# KiCad board hw-openmower-universal.kicad_pcb (continued)
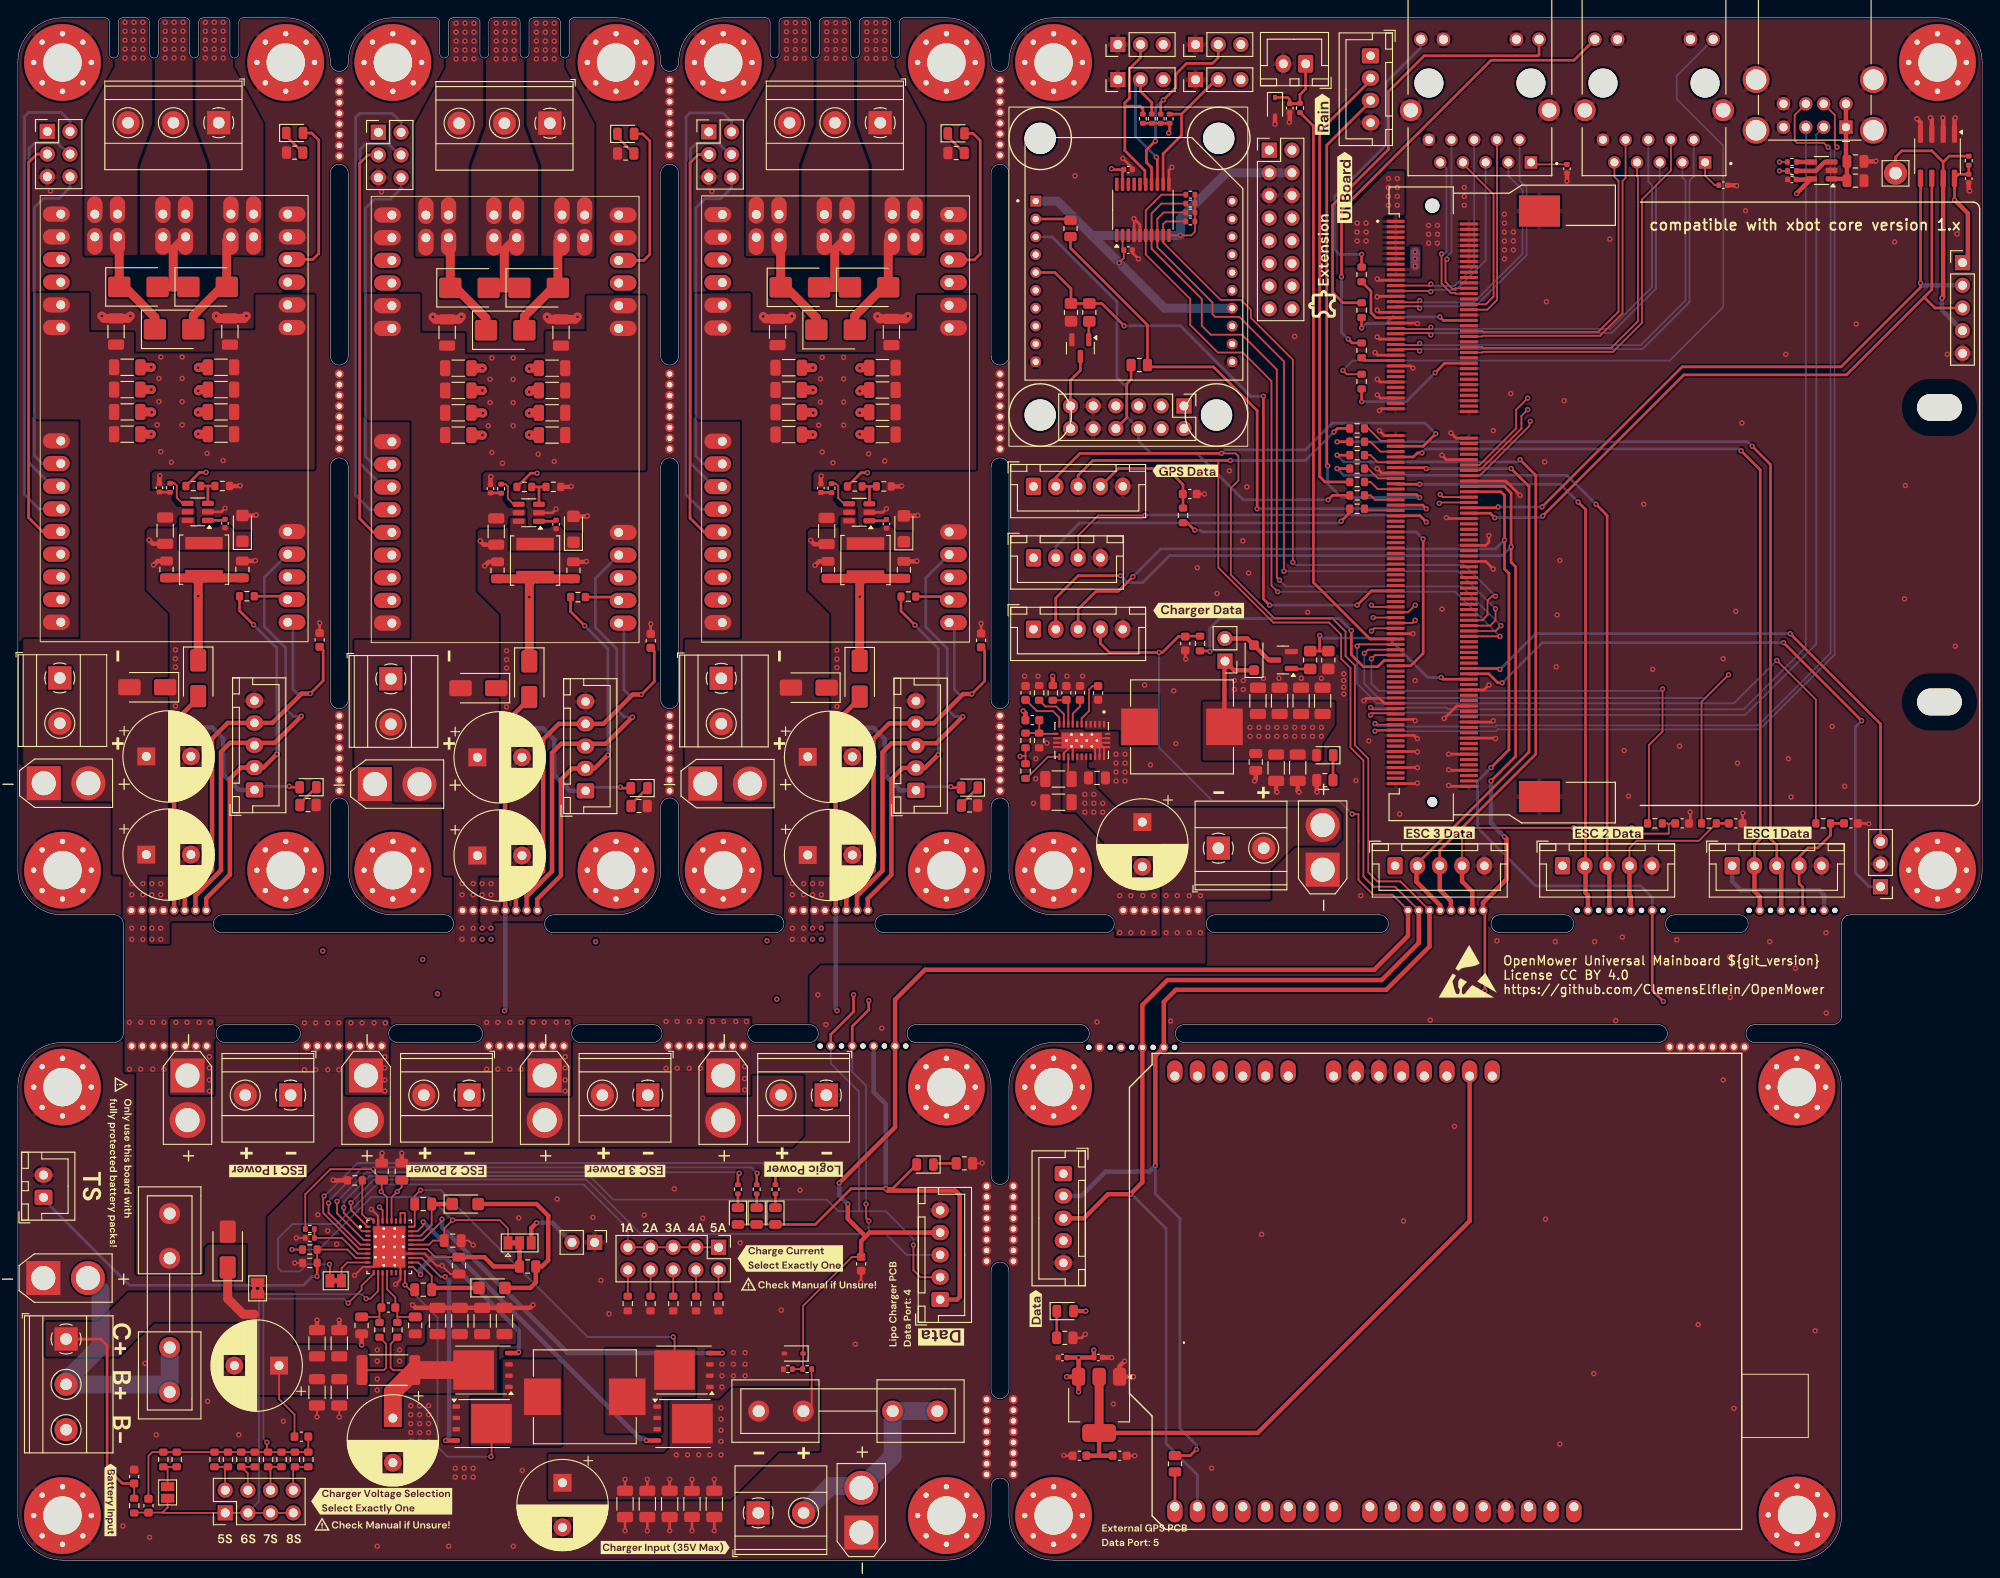
[diagram p0: board, top side]
## Routing (per net, layer and track width the routed paths; a pad name or vN(x,y) marks a point on that pad's centre or on a via; arc(x,y) is an arc through that point) (continued)
  Top w1: v1(89.04,126.11) 89.03,126.11 C93.2 ; v1(99.69,139.36) 99.41,139.08 C75.2 96.56,139.08 v1(96.28,139.36) ; v1(59.28,139.3) 59.55,139.03 C71.2 62.41,139.03 v1(62.68,139.3) ; C62.2 57.33,133.55 v1(57.28,133.5) ; v1(89.09,128.56) 89.03,128.61 C60.2 ; v1(49.68,139.3) 49.41,139.03 C98.2 46.75,139.03 v1(46.48,139.3) ; v1(25.6,139.4) 25.33,139.13 C67.2 22.47,139.13 v1(22.2,139.4) ; C51.2 v1(14.95,131.15) ; C95.2 57.33,126.05 v1(57.28,126.1) ; C52.2 v1(52.03,131.05) ; C94.2 20.25,126.15 v1(20.2,126.2) ; C88.2 20.25,128.65 v1(20.2,128.6) ; v1(9.4,139.4) 9.67,139.12 C97.2 12.33,139.12 v1(12.6,139.4) ; v1(15,128.6) 14.95,128.65 C54.2 ; v1(83.49,139.36) 83.76,139.08 C99.2 86.41,139.08 v1(86.69,139.36) ; v1(94.28,128.56) 94.34,128.61 C90.2 ; v1(89.04,131.11) 89.03,131.11 C53.2 ; C61.2 20.25,133.65 v1(20.2,133.6) ; v1(94.28,130.96) 94.44,131.11 C87.2 ; v1(52.08,128.5) 52.03,128.55 C57.2 ; v1(57.28,128.5) 57.33,128.55 C89.2 ; v1(94.28,126.16) 94.34,126.11 C96.2 ; C86.2 57.43,131.05 v1(57.28,130.9) ; C70.2 v1(52.03,133.55) ; v1(94.28,133.56) 94.34,133.61 C77.2 ; C74.2 v1(89.03,133.61) ; C66.2 v1(14.95,133.65) ; C85.2 20.35,131.15 v1(20.2,131) ; C92.2 v1(52.03,126.05) ; C91.2 v1(14.95,126.15)
  vias: v1(3.65,153.4) v1(11.77,3.82) v1(14.25,22.05) v1(14.75,2.55) v1(15,75.8) v1(15,74.55) v1(15,70.8) v1(15,69.55) v1(15.5,14.05) v1(16,75.8) v1(16,74.55) v1(16,70.8) v1(16,69.55) v1(17.65,102) v1(17.65,101) v1(17.65,100.05) v1(17.65,95.7) v1(17.7,60.25) v1(18.95,60.25) v1(20.3,60.25) v1(21.25,17.8) v1(21.55,60.25) v1(21.45,56.4) v1(21.45,55.15) v1(21.45,53.8) v1(21.45,52.55) v1(23,24.8) v1(23,23.8) v1(23,19.8) v1(23,18.8) v1(24,24.8) v1(24,23.8) v1(24,19.8) v1(24,18.8) v1(24.75,14.05) v1(25,24.8) v1(25,23.8) v1(25,19.8) v1(25,18.8) v1(29.75,15.55) v1(33.6,38.7) v1(34.15,68.25) v1(34.7,36.9) v1(35.7,35.4) v1(37.3,60.2) v1(38.55,60.2) v1(39.5,11.8) v1(39.5,10.8) v1(39.5,9.8) v1(39.9,60.2) v1(40.25,23.55) v1(40.25,22.3) v1(40.25,20.3) v1(40.25,19.05) v1(40.25,1.55) v1(40.73,153.3) v1(41,8.8) v1(41.1,56.4) v1(41.1,55.15) v1(41.1,53.8) v1(41.1,52.55) v1(41.15,60.2) v1(42,8.8) v1(42.75,23.55) v1(42.75,22.3) v1(43,8.8) v1(44,17.3) v1(44,16.3) v1(44,15.3) v1(44,14.3) v1(44,13.3) v1(45,17.3) v1(45,16.3) v1(45,15.3) v1(45,14.3) v1(45,13.3) v1(45.35,67.3) v1(46,17.3) v1(46,16.3) v1(46,15.3) v1(46,14.3) v1(46,13.3) v1(47,63.45) v1(48.25,1.55) v1(49,10.3) v1(49,9.3) v1(50,10.3) v1(50,9.3) v1(51,10.3) v1(51,9.3) v1(52,75.8) v1(52,74.55) v1(52,70.8) v1(52,69.55) v1(53,75.8) v1(53,74.55) v1(53,70.8) v1(53,69.55) v1(54.73,101.9) v1(54.73,100.9) v1(54.73,99.95) v1(54.73,95.6) v1(55.5,1.55) v1(56.1,38.35) v1(56.5,10.05) v1(57.7,60.25) v1(58.5,4.8) v1(58.5,3.8) v1(58.5,2.8) v1(58.95,60.25) v1(60.3,60.25) v1(60.4,40.45) v1(61.3,56.4) v1(61.3,55.15) v1(61.3,53.8) v1(61.3,52.55) v1(61.55,60.25) v1(63.5,4.8) v1(63.5,3.8) v1(63.5,2.8) v1(64.4,38.4) v1(64.7,69.3) v1(65.3,31.35) v1(66.2,27.6) v1(70.15,38.65) v1(73.53,41.6) v1(76.7,38.3) v1(77.73,153.36) v1(77.8,60.35) v1(78.85,21.95) v1(78.85,20.65) v1(78.85,19.4) v1(79.05,60.35) v1(80.15,23.25) v1(80.15,21.95) v1(80.15,20.65) v1(80.4,60.35) v1(80.9,35.55) v1(81.4,55.3) v1(81.4,53.95) v1(81.4,52.7) v1(81.45,23.25) v1(81.45,21.95) v1(81.45,20.65) v1(81.6,60.35) v1(83.9,69.4) v1(85,62.85) v1(85.5,28) v1(87.6,41.45) v1(89,75.8) v1(89,74.55) v1(89,70.8) v1(89,69.55) v1(89.6,63.35) v1(90,75.8) v1(90,74.55) v1(90,70.8) v1(90,69.55) v1(90.5,60) v1(91.74,101.96) v1(91.74,100.96) v1(91.74,100.01) v1(91.74,95.66) v1(93.8,24.2) v1(96.75,59.6) v1(112.75,99.05) v1(113.75,84.8) v1(114,89.8) v1(114,87.55) v1(114.25,99.05) v1(115.25,91.55) v1(117.5,99.05) v1(118.4,155.1) v1(119.25,99.05) v1(120.85,60.3) v1(122.7,17.5) v1(123,90.3) v1(123,89.3) v1(123,88.3) v1(123,87.3) v1(123.4,74.45) v1(123.4,70.3) v1(124,90.3) v1(124,89.3) v1(124,88.3) v1(124,87.3) v1(124.65,74.45) v1(124.65,70.3) v1(126,74.45) v1(126,70.3) v1(126.2,98.05) v1(126.85,89.1) v1(127.25,74.45) v1(127.25,70.3) v1(129.1,60.4) v1(129.45,97.4) v1(129.7,91.5) v1(132.1,111.2) v1(132.65,121.8) v1(133.7,10.3) v1(134.3,108.3) v1(135.7,122.05) v1(136.25,98.55) v1(136.25,97.55) v1(137.2,114.2) v1(137.25,98.55) v1(137.25,97.55) v1(137.65,120.25) v1(137.85,110.6) v1(139.3,36.5) v1(139.5,98.79) v1(141.25,98.8) v1(143,137.1) v1(143.75,98.8) v1(144.45,106.2) v1(146,98.8) v1(148.3,156.8) v1(148.5,99.3) v1(148.5,98.55) v1(148.5,97.8) v1(148.5,97.05) v1(149.85,87.35) v1(150.4,74.45) v1(151.3,91.8) v1(154.75,83.6) v1(155.2,38) v1(156.5,98.55) v1(158,149.55) v1(158,148.55) v1(158,147.55) v1(158.2,60.5) v1(159,149.55) v1(159,148.55) v1(159,147.55) v1(159.5,106.55) v1(160.9,48.6) v1(162,153.8) v1(162,152.8) v1(162,151.8) v1(165.25,126.55) v1(165.65,69.4) v1(166.5,150.8) v1(166.5,149.8) v1(166.5,148.8) v1(166.5,147.8) v1(166.5,146.8) v1(166.5,145.8) v1(167.2,130.7) v1(167.5,148.8) v1(167.5,147.8) v1(167.5,146.8) v1(171,123.05) v1(171.1,38.2) v1(171.2,141) v1(172.2,69.3) v1(172.3,100.1) v1(172.4,105.9) v1(172.7,112) v1(172.7,13) v1(173.2,129.9) v1(176.5,20.9) v1(176.6,69.3) v1(178.3,148) v1(178.95,60.45) v1(179.7,69.8) v1(179.9,90.7) v1(180.4,85.6) v1(182.1,118.3) v1(183.1,99.8) v1(185.8,69.5) v1(186.1,91.2) v1(188.2,26.4) v1(191,101) v1(191,53.8) v1(191.7,67.6) v1(191.8,63.05) v1(192.2,17) v1(192.4,106.3) v1(192.6,89.3) v1(193.1,127.4) v1(193.5,151.2) v1(196.2,69.3) v1(198,135.1) v1(198.3,89.8) v1(198.6,85.5) v1(199.1,66.3) v1(201.3,25.7) v1(202.5,70.3) v1(202.55,61.3) v1(203.2,93.4) v1(204.6,86.7) v1(205.9,138.5) v1(207.3,82.5) v1(210.2,147.7) v1(211.3,107.7) v1(211.4,120.4) v1(216.1,135.1) v1(217,102.4) v1(217.2,148.6)
/I2C1.SCL: length 322
  Top w0.2: v1(37.3,40.05) 37.3,39.25 U27.1 ; v1(95.3,38) 95,38.3 v1(95,39.9)
  Top w0.3: v1(95.3,62.7) 95.3,61.65 93.45,59.8 U61.2 ; v1(124.87,110.17) 123.25,108.55 120.75,108.55 118.75,106.55 J23.3 ; U48.4 183.05,63.85 v1(184.3,62.6) ; v1(165,88.8) 167,90.8 167,110.55 166.5,111.05 v1(166.5,114.3) 166.5,119.3 166.1,119.7 162.52,119.7
  In2.Cu-PWR-SIG w0.3: v1(95.3,62.7) 95.4,62.6 v1(184.3,62.6)
  Bottom w0.2: 95.4,36.55 69.75,36.55 63.65,42.65 39.9,42.65 v1(37.3,40.05) ; 95.4,36.55 97.2,36.55 99.55,34.2 J27.3 ; 95.4,36.55 95.3,36.65 v1(95.3,38) ; v1(95,39.9) 95,53.15 93.45,54.7 U61.2
  Bottom w0.3: v1(165,88.8) 163.5,87.3 163.5,82.05 170,75.55 181.75,75.55 183.05,74.25 U48.4 ; v1(166.5,114.3) 165.5,113.3 128,113.3 v1(124.87,110.17)
/I2C1.SDA: length 298.6
  Top w0.2: J27.2 101.1,31.7 100.3,32.5 v1(100.3,35.3) ; U27.2 38.55,36.85 36.5,38.9 v1(36.5,39.5)
  Top w0.3: U61.1 91.05,58.9 93.6,61.45 v1(93.6,63.35) ; J12.92 166.5,120.3 167.25,119.55 v1(167.25,113.55) 167.25,111.8 167.75,111.3 167.75,90.06 v1(165,87.3) ; v1(164.3,63.8) 164.3,72.6 U60.8 ; J23.2 116.25,107.8 118.75,110.3 v1(123.5,110.3)
  Top w0.5: U60.8 164.1,73.65 166.75,76.3 166.75,80.8 v1(166.5,81.05)
  In2.Cu-PWR-SIG w0.3: v1(164.3,63.8) 94.05,63.8 v1(93.6,63.35)
  Bottom w0.2: 94.2,39.09 94.2,52.5 91.05,55.65 U61.1 ; 94.2,39.09 91.89,39.09 90.58,40.4 66.68,40.4 64.03,43.05 39.4,43.05 36.5,40.15 v1(36.5,39.5) ; 94.2,39.09 97.2,39.09 100.3,35.99 v1(100.3,35.3)
  Bottom w0.3: v1(123.5,110.3) 124.28,109.52 125.97,109.52 129,112.55 166.25,112.55 v1(167.25,113.55)
  Bottom w0.5: v1(165,87.3) 165,82.55 v1(166.5,81.05)
/subpcb_charger/Charger/DRV_SUP: length 15.6
  Top w0.2: C78.1 46.75,33.95 45.85,34.85 U27.23
  Top w0.5: C78.1 52.25,33.95 53.3,32.9 R66.1 56.19,35.53 JP1.2
/subpcb_charger/Charger/FB: length 60.9
  Top w0.2: v1(39,29.3) 39.5,29.3 40.35,30.15 40.35,32.1 ; 13.03,5.25 13.1,5.33 C11.1 16.19,5.33 ; JP3.2 16.77,5.91 16.19,5.33 ; 16.19,5.33 16.22,5.3 J2.1 J2.7
  Bottom w0.2: v1(39,29.3) 38.5,29.8 27.5,29.8 27,29.3 27,6.58 25.75,5.33 25.75,4.67
/subpcb_charger/Charger/FBG: length 55.8
  Top w0.2: R80.2 27.9,12.23 v1(27.9,13.2) ; R96.2 R93.2 32.53,12.11 C49.2 ; 39.85,32.1 38.5,30.75 38.5,30.3 v1(37,28.8) ; 16.02,12.1 15.05,12.1 14.63,11.68 C11.2
  Bottom w0.2: v1(37,28.8) 36.5,29.3 27.75,29.3 27.5,29.05 27.5,13.6 v1(27.9,13.2)
/subpcb_charger/Charger/ICHG: length 4.6
  Top w0.2: JP4.2 36.25,32.7 36.9,33.35 U27.9
/subpcb_charger/Charger/REGN: length 37.5
  Top w0.2: JP1.1 54.9,37.15 53.95,38.1 v1(48.7,38.1) 47.75,37.15 C84.1 46.5,35.8 46.05,35.35 U27.24 ; R72.1 v1(30.7,34.8)
  Bottom w0.2: v1(30.7,34.8) 33.7,34.8 39.6,40.7 46.1,40.7 v1(48.7,38.1)
/subpcb_charger/Charger/SRN: length 7.7
  Top w0.2: R69.2 40.5,27.3 ; 40.5,27.3 40.45,27.25 C82.1 ; 40.5,27.3 40.5,28.08 C83.2 40.85,28.43 U27.13
/subpcb_charger/Charger/SRP: length 8.1
  Top w0.2: C81.2 42.55,27.25 42.5,27.3 ; R68.2 42.5,27.3 ; 42.5,27.3 42.5,28.08 C83.1 42.28,29.43 41.35,30.35 U27.14
/subpcb_charger/Charger/STAT1: length 53.8
  Top w0.2: U27.4 38.75,35.85 35.75,38.85 v1(35.75,40.2)
  Top w0.3: v1(80.8,43.35) 80.65,43.2 R34.2
  Bottom w0.2: v1(80.8,43.35) 80.7,43.45 39,43.45 v1(35.75,40.2)
/subpcb_charger/Charger/STAT2: length 58.3
  Top w0.2: v1(34.8,40) 34.8,38.9 38.35,35.35 U27.5
  Top w0.3: v1(82.8,43.35) 82.75,43.3 R35.2
  Bottom w0.2: v1(82.8,43.35) 82.15,44 38.58,44 34.8,40.22 v1(34.8,40)
/subpcb_charger/Charger/TS: length 44.3
  Top w0.2: R73.1 R72.2 36.9,34.8 37.85,33.85 U27.8
  Top w0.3: R73.1 33.53,31.83 v1(33.5,31.8)
  Bottom w0.3: J19.1 2.88,40.43 12.5,30.8 32,30.8 33,31.8 v1(33.5,31.8)
/subpcb_charger/Charger/V_BATT_CHARGE: length 46.6
  Top w0.2: R69.1 41.25,24.23 41.25,21.55 41,21.3 R67.1 ; 13,8.59 13.03,8.56 R33.1 ; C49.1 30.98,16.32 29.25,18.05 C47.1
  Top w0.3: 5.4,24.76 9.21,24.76 9.25,24.8 10,24.05 10,10.3 11.71,8.59 C12.2
  Top w1: 26.5,27.55 25.25,27.55 23.5,29.3 D3.1
/subpcb_charger/Charger/~{PG}: length 62.3
  Top w0.2: v1(34.3,40.8) 34.2,40.7 34.2,38.9 38.25,34.85 U27.6
  Top w0.3: R76.2 84.85,43.05 v1(84.55,43.35)
  Bottom w0.2: v1(84.55,43.35) 83.4,44.5 38.05,44.5 34.35,40.8 v1(34.3,40.8)
/subpcb_charger/V_CHARGE: length 84
  Top w0.2: R54.2 88.91,16.73 87.97,15.8 ; v1(40.5,39.55) 40.85,39.2 U27.34 ; U27.33 41.35,40.65 v1(40.7,41.3) 40.75,41.35 C79.1 39.55,43.8 35,43.8 32.19,40.99 R21.1 ; U27.32 41.85,40.65 v1(42.5,41.3) 43,41.8 C80.1
  Top w0.3: C39.1 v1(70.5,9.05) ; R22.1 v1(75.5,9.05) ; C40.1 v1(78,9.05) ; C38.1 v1(73,9.05) ; C41.1 v1(68,9.05)
  In2.Cu-PWR-SIG w2: C42.1 61,29.55 46.5,44.05 42,44.05
  vias: v1(73.75,11.8) v1(75,11.8) v1(76.25,11.8) v1(77.5,11.8) v1(78.75,17.05) v1(78.75,15.8) v1(78.75,14.55) v1(78.75,13.3) v1(78.75,11.8)
/subpcb_logic/AGPIO0: length 65.1
  Top w0.3: 154.32,103.2 151.45,103.2 145.1,109.55 145.1,160.69 R16.1
/subpcb_logic/AGPIO1: length 259.5
  Top w0.3: v1(32.75,97.09) 34.2,98.54 34.2,101.93 C76.1 ; U49.3 199.9,75.4 199.5,75.8 J11.4 199.5,78.8 200.5,79.8 201.6,79.8 203.03,81.23 R18.1 C48.1
  Top w0.5: U50.6 18.7,74.25 21.75,77.3 21.75,92.05 23.5,93.8 28.5,93.8 31.78,97.09 v1(32.75,97.09)
  In2.Cu-PWR-SIG w0.3: U49.3 199.9,64.9 199.5,64.5 20.55,64.5 18.7,66.35 U50.6
  Bottom w0.3: v1(32.75,97.09) 31.31,97.09 30.8,97.6 30.8,104.5 U8.11
/subpcb_logic/AGPIO2: length 204.2
  Top w0.2: J20.4 180.5,79.8 181.3,80.6 188.28,80.6 R39.1
  Top w0.3: C109.1 71.28,101.83 71.28,98.44 v1(69.83,96.99) ; C8.1 R39.1
  Top w0.5: v1(69.83,96.99) 68.86,96.99 65.58,93.7 60.58,93.7 58.83,91.95 58.83,77.2 55.78,74.15 55.78,72.7 ; U48.3 180.65,74.35 180.5,74.5 J20.4
  In2.Cu-PWR-SIG w0.3: U51.6 55.8,70 59.8,66 179.4,66 180.65,67.25 U48.3
  Bottom w0.3: U9.11 67.88,104.4 67.88,97.5 68.39,96.99 v1(69.83,96.99)
/subpcb_logic/AGPIO3: length 162.1
  Top w0.2: 184.18,82.55 184.75,82.55 184.8,82.5 184.9,82.5 ; v1(180.75,82.05) 181,82.05 181.65,81.4 184.85,81.4 184.9,81.45 184.9,82.5 ; 184.9,82.5 185,82.5 185.05,82.55 C7.1 ; v1(174.25,82.05) 163,82.05 161.75,80.8 J21.4
  Top w0.3: C110.1 108.28,101.88 108.28,98.49 v1(106.84,97.04)
  Top w0.5: J21.4 161.75,76.05 162.9,74.9 U60.7 ; 92.78,72.76 92.78,74.21 95.84,77.26 95.84,92.01 97.59,93.76 102.59,93.76 105.87,97.04 v1(106.84,97.04)
  In2.Cu-PWR-SIG w0.3: U52.6 92.8,70.25 95.55,67.5 160.4,67.5 162.9,70 U60.7
  Bottom w0.2: v1(180.75,82.05) v1(174.25,82.05)
  Bottom w0.3: v1(106.84,97.04) 105.4,97.04 104.88,97.56 104.88,104.45 U10.11
/subpcb_logic/AGPIO4: length 186
  Top w0.2: C111.1 93.43,33.98 87.95,28.5 D23.1 87.95,21.46 R54.1 R55.2 ; U60.1 153.95,74.55 151.8,74.55 150.15,76.2 150.15,83.55 150.1,83.6 v1(149.45,83.6)
  Top w0.3: J23.4 121.25,102.7 122.25,101.7 128.2,101.7 129.97,103.48 C2.1 130.8,103.53 132.4,103.53
  Top w0.5: 94.96,36.26 92.95,38.26 v1(92.95,39.9) ; 94.96,36.26 94.45,35.75 C111.1 ; 94.96,36.26 95.4,36.7 J27.4 ; v1(92,42.25) 98.25,48.5 U61.4 98.25,62.8 101.6,66.15 151.9,66.15 155.7,69.95 U60.1
  Bottom w0.2: v1(127.8,101.7) 127.8,91.05 133.8,85.05 148,85.05 v1(149.45,83.6)
  Bottom w0.5: v1(92.95,39.9) 92,40.85 v1(92,42.25)
/subpcb_logic/AGPIO5: length 13.4
  Top w0.3: R63.1 130.5,120.5 128.7,122.3 123.25,122.3 J16.4
/subpcb_logic/Connectors/ETH1.LED_G: length 15.2
  Top w0.3: v1(150.5,129.8) R11.1 ; v1(158.75,133.05) 159.8,134.1 J12.54
  Bottom w0.3: v1(158.75,133.05) 155.5,129.8 v1(150.5,129.8)
/subpcb_logic/Connectors/ETH1.LED_Y: length 4
  Top w0.3: R12.1 150.82,134.4 154.32,134.4
/subpcb_logic/Connectors/ETH1.PAIR_A_N: length 50.3
  Top w0.2: v1(157,136.33) 156.8,136.13 154.39,136.13 J12.47
  Bottom w0.2: v1(157,136.33) 157.2,136.13 181.76,136.13 186.78,141.14 186.78,154.55 186.43,154.9 J7.3
/subpcb_logic/Connectors/ETH1.PAIR_A_P: length 53.7
  Top w0.2: J12.49 154.39,135.68 156.8,135.68 v1(157,135.48)
  Bottom w0.2: v1(157,135.48) 157.2,135.68 181.95,135.68 187.22,140.96 187.22,154.55 187.69,155.02 J7.2
/subpcb_logic/Connectors/ETH1.PAIR_B_N: length 38
  Top w0.2: J7.7 181.35,155.05 181.45,154.95 181.45,138.82 178.46,135.83 164.1,135.83 164.02,135.9 162.52,135.9
/subpcb_logic/Connectors/ETH1.PAIR_B_P: length 42.6
  Top w0.2: J12.50 164.02,135.3 164.1,135.38 178.65,135.38 181.9,138.63 181.9,152.45 185.15,155.7 J7.4
/subpcb_logic/Connectors/ETH1.PAIR_C_N: length 47.5
  Top w0.2: v1(158.25,138.13) 158.05,137.93 154.39,137.93 154.32,138
  Bottom w0.2: J7.6 182.61,154.47 183.03,154.05 183.03,142.64 178.31,137.93 158.45,137.93 v1(158.25,138.13)
/subpcb_logic/Connectors/ETH1.PAIR_C_P: length 45.7
  Top w0.2: 154.32,137.4 154.39,137.48 158.05,137.48 v1(158.25,137.28)
  Bottom w0.2: v1(158.25,137.28) 158.45,137.48 178.5,137.48 183.47,142.46 183.47,154.05 183.89,154.47 J7.5
/subpcb_logic/Connectors/ETH1.PAIR_D_N: length 34.6
  Top w0.2: J12.42 164.02,137.7 164.1,137.63 177.01,137.63 179.28,139.89 179.28,154.53 178.81,154.99 J7.9
/subpcb_logic/Connectors/ETH1.PAIR_D_P: length 37.9
  Top w0.2: J7.8 180.07,154.87 179.72,154.53 179.72,139.71 177.2,137.18 164.1,137.18 164.02,137.1 J12.44
/subpcb_logic/Connectors/ETH2.LED_G: length 13.9
  Top w0.3: 162.52,138.9 159.65,138.9 v1(159.25,139.3) ; v1(150.5,138.05) R13.1
  Bottom w0.3: v1(159.25,139.3) 154,139.3 153.25,138.55 151,138.55 v1(150.5,138.05)
/subpcb_logic/Connectors/ETH2.LED_Y: length 6.9
  Top w0.3: R14.1 151.55,142.18 151.55,139.76 152.11,139.2 J12.37
/subpcb_logic/Connectors/ETH2.PAIR_A_N: length 27.5
  Top w0.2: v1(157,141.13) 156.8,140.93 154.39,140.93 154.32,141
  Bottom w0.2: v1(157,141.13) 157.2,140.93 163.06,140.93 168.53,146.39 168.53,153.53 166.93,155.12 J8.3
/subpcb_logic/Connectors/ETH2.PAIR_A_P: length 30.5
  Top w0.2: v1(157,140.28) 156.8,140.48 154.39,140.48 154.32,140.4
  Bottom w0.2: v1(157,140.28) 157.2,140.48 163.25,140.48 168.97,146.21 168.97,153.8 168.19,154.59 J8.2
/subpcb_logic/Connectors/ETH2.PAIR_B_N: length 19.6
  Top w0.2: J12.32 164.4,140.7 165.28,141.58 165.28,153.03 161.85,156.45 J8.7
/subpcb_logic/Connectors/ETH2.PAIR_B_P: length 21.6
  Top w0.2: J12.34 164.59,140.1 165.68,141.19 165.68,158.13 165.65,158.16 J8.4
/subpcb_logic/Connectors/ETH2.PAIR_C_N: length 24
  Top w0.2: v1(158.25,142.98) 158.08,142.8 J12.25
  Bottom w0.2: J8.6 163.11,144.98 160.91,142.78 158.45,142.78 v1(158.25,142.98)
/subpcb_logic/Connectors/ETH2.PAIR_C_P: length 22.5
  Top w0.2: J12.27 158.17,142.2 v1(158.25,142.12)
  Bottom w0.2: v1(158.25,142.12) 158.45,142.32 161.09,142.32 164.39,145.62 J8.5
/subpcb_logic/Connectors/ETH2.PAIR_D_N: length 19.2
  Top w0.2: 162.52,142.5 161.02,142.5 160.94,142.43 160.69,142.43 159.9,143.22 159.9,145.6 v1(160.05,145.75)
  Bottom w0.2: J8.8 160.57,146.55 160.05,146.03 v1(160.05,145.75)
/subpcb_logic/Connectors/ETH2.PAIR_D_P: length 17.8
  Top w0.2: v1(159.45,146.35) 159.45,143.03 160.5,141.98 160.94,141.98 161.02,141.9 162.52,141.9
  Bottom w0.2: v1(159.45,146.35) 159.73,146.35 160,146.62 160,155.92 J8.9
/subpcb_logic/Connectors/USBH1.N: length 114.6
  Top w0.2: J12.177 154.25,94.88 151.7,94.88 v1(151.5,94.68)
  Bottom w0.2: v1(151.5,94.68) 151.77,94.95 160.02,94.95 160.29,94.68 193.44,94.68 201.42,102.66 201.42,159.72 J6.2
/subpcb_logic/Connectors/USBH1.P: length 112.9
  Top w0.2: v1(151.5,95.53) 151.7,95.33 154.25,95.33 J12.175
  Bottom w0.2: v1(151.5,95.53) 160.01,95.53 160.21,95.33 193.28,95.33 200.25,102.3 J6.3
/subpcb_logic/Connectors/USBH2.N: length 119.9
  Top w0.2: v1(152,92.88) 152.13,93 J12.183 ; J6.6 203.5,161.92 203.5,158.55 v1(203.75,158.3)
  Bottom w0.2: v1(152,92.88) 165.56,92.88 165.76,93.07 195.09,93.07 203.48,101.46 203.48,158.03 v1(203.75,158.3)
/subpcb_logic/Connectors/USBH2.P: length 122.4
  Top w0.2: v1(202.75,158.3) 202.25,158.8 199.25,158.8 199,159.05 199,161.92 J6.7 ; v1(152,93.73) 152.12,93.6 J12.181
  Bottom w0.2: v1(202.75,158.3) 203.02,158.03 203.02,101.64 194.91,93.53 165.64,93.53 165.52,93.4 152.32,93.4 v1(152,93.73)
/subpcb_logic/DCDC/BIAS: length 4.4
  Top w0.2: U11.9 117.65,96.18 C115.2 117.38,96.34 R82.2
/subpcb_logic/GPIO0: length 68.1
  Top w0.2: v1(151.6,104.1) 151.9,104.4 J12.145
  In2.Cu-PWR-SIG w0.2: v1(151.6,104.1) 151.05,103.55 147.45,103.55 146,105 140.7,105 139.5,106.2 139.5,128.6 133.6,134.5 133.6,148.1 134.7,149.2 139,149.2 J5.7
/subpcb_logic/GPIO1: length 70.7
  Top w0.3: v1(139.5,130.4) 139.5,107.7 v1(140.2,107) ; v1(123.9,138.3) 121.4,140.8 R25.1 R24.2 117.95,142.45 116.14,144.26 U6.5 ; J12.131 151.6,108.6 v1(150,107)
  Bottom w0.3: v1(123.9,138.3) 130.2,138.3 138.1,130.4 v1(139.5,130.4) ; v1(140.2,107) v1(150,107)
/subpcb_logic/GPIO2: length 51.2
  Top w0.2: v1(151.8,105.6) 151.8,105.6 J12.141
  In2.Cu-PWR-SIG w0.2: J5.11 137.9,143.02 137.9,135.8 142.2,131.5 142.2,111.3 147.9,105.6 v1(151.8,105.6)
/subpcb_logic/GPIO3: length 51.5
  Top w0.2: v1(156.5,107) 155.7,106.2 154.32,106.2
  In2.Cu-PWR-SIG w0.2: v1(156.5,107) 155.9,106.4 149.1,106.4 143.6,111.9 143.6,131.5 138.6,136.5 138.6,141.18 J5.13
/subpcb_logic/GPIO4: length 40.7
  Top w0.2: J12.137 151.8,106.8 v1(151.6,107)
  In2.Cu-PWR-SIG w0.2: J5.15 140.16,136.14 144.2,132.1 144.2,114.4 v1(151.6,107)
/subpcb_logic/GPIO7: length 62.4
  Top w0.2: J12.143 156.2,105 v1(156.5,105.3)
  In2.Cu-PWR-SIG w0.2: J5.9 137.4,145.06 137.4,135.2 140.9,131.7 140.9,113.4 140.5,113 140.5,107.9 141.3,107.1 145,107.1 147.2,104.9 156.1,104.9 v1(156.5,105.3)
/subpcb_logic/GPIO10: length 86.2
  Top w0.2: J12.148 164,103.5 164,103.5 v1(166,103.5) ; R41.2 128.07,152.99 126.32,151.24 U7.6 126.32,146.28 131.3,141.3 131.3,138.4 134.4,135.3 137.2,135.3 140.4,132.1 140.4,109.2 v1(141.1,108.5)
  Bottom w0.2: v1(141.1,108.5) 161,108.5 v1(166,103.5)
/subpcb_logic/GPIO11: length 84.1
  Top w0.2: J12.146 165.5,104.1 v1(166.1,104.7) ; v1(141.3,109.8) 141,110.1 141,133.4 137.1,137.3 133.6,137.3 132.6,138.3 132.6,141.3 126.97,146.93 U7.7 126.97,150.89 128.07,151.99 R38.2
  Bottom w0.2: v1(166.1,104.7) 161.7,109.1 142,109.1 v1(141.3,109.8)
/subpcb_logic/GPIO12: length 80.4
  Top w0.2: v1(141.8,110.8) 141.8,134.3 136.8,139.3 134.1,139.3 133.8,139.6 133.8,140.9 127.62,147.08 U7.8 127.62,150.29 128.32,150.99 R37.2 ; 162.52,104.7 164.9,104.7 165.5,105.3 v1(165.5,106.6)
  Bottom w0.2: v1(141.8,110.8) 161.3,110.8 v1(165.5,106.6)
/subpcb_logic/GPIO13: length 77.2
  Top w0.2: R19.2 128.57,149.99 128.28,149.69 U7.9 128.28,147.62 134.7,141.2 137,141.2 138.1,140.1 138.1,139.2 142.8,134.5 v1(142.8,111.8) ; v1(165.5,108) 165.1,108 164.6,107.5 164.6,105.9 164,105.3 J12.142
  Bottom w0.2: v1(165.5,108) 162,111.5 143.1,111.5 v1(142.8,111.8)
/subpcb_logic/HALL0_5V: length 20.1
  Top w0.3: 123.98,162.9 123.98,163.28 124.5,163.8 124.5,167.1 125.74,168.34 J54.2 ; 123.98,162.9 123.98,157.92 126.22,155.68 126.22,154.2 126.3,154.12 U7.15 ; 123.98,162.9 125.7,162.9 126,162.6 R50.2
/subpcb_logic/HALL1_5V: length 22.6
  Top w0.3: J52.2 134.44,168.34 133.8,167.7 130.9,167.7 129.7,166.5 129.7,165 v1(128.3,163.6) 128,163.3 R49.2 ; U7.14 126.97,156.03 126.4,156.6 126.4,158 v1(127.4,159)
  Bottom w0.3: v1(127.4,159) 127.4,162.7 v1(128.3,163.6)
/subpcb_logic/HALL2_5V: length 17.4
  Top w0.3: U7.13 127.62,157.08 v1(127.5,157.2) ; R48.2 127,163.3 125.74,164.56 J30.2
  Bottom w0.3: v1(127.5,157.2) 125.18,159.52 125.18,165.32 J30.2
/subpcb_logic/HALL3_5V: length 15.8
  Top w0.3: U7.12 128.28,157.58 130.33,159.63 130.33,162.01 ; 130.33,162.01 134.2,165.88 J28.2 ; 130.33,162.01 R47.2
/subpcb_logic/I2C2.SCL: length 61.2
  Top w0.2: v1(159.2,118.4) 159.3,118.5 J12.98
  In2.Cu-PWR-SIG w0.2: v1(159.2,118.4) 164.23,118.4 170.5,124.67 170.5,130.1 166.4,134.2 150.6,134.2 146.6,138.2 146.6,143.92 J5.10
/subpcb_logic/I2C2.SDA: length 67.5
  Top w0.2: v1(159.3,119.4) 159.6,119.1 J12.96
  In2.Cu-PWR-SIG w0.2: J5.8 144.26,148.8 145.4,148.8 147.3,146.9 147.3,140.1 149.6,137.8 149.6,136.85 151.85,134.6 159.5,134.6 159.8,134.9 166.6,134.9 170.9,130.6 170.9,124.5 164.2,117.8 158.7,117.8 158.6,117.9 158.6,118.7 v1(159.3,119.4)
/subpcb_logic/I2C4_ID.SCL: length 79.9
  Top w0.3: U5.6 214.37,142.37 213.5,141.5 ; 213.5,141.5 214.7,140.3 J32.3 ; 213.5,141.5 204.8,132.8 186.6,132.8 v1(170.8,117) ; v1(165.4,116.8) 164.9,117.3 J12.102
  Bottom w0.3: v1(170.8,117) 170.6,116.8 v1(165.4,116.8)
/subpcb_logic/I2C4_ID.SDA: length 77.8
  Top w0.3: J12.100 165.7,117.9 v1(165.8,118) ; U5.5 v1(213.1,143.1) 213.1,142.6 204.2,133.7 186.4,133.7 v1(170.7,118)
  Bottom w0.3: v1(165.8,118) v1(170.7,118)
  Bottom w0.5: v1(213.1,143.1) 213.36,142.84 J32.2
/subpcb_logic/RASPI_FAN_ON: length 22.5
  Top w0.3: v1(159.4,98.9) 159.6,98.7 162.52,98.7 ; 145.8,101.85 R53.1 ; 145.8,101.85 R52.2 ; 145.8,101.85 v1(145.8,103.6)
  Bottom w0.3: v1(145.8,103.6) 146.1,103.3 153.5,103.3 157.9,98.9 v1(159.4,98.9)
/subpcb_logic/SPI2.MISO: length 46.4
  Top w0.2: 162.52,122.7 163.7,122.7 167.8,126.8 167.8,128.9 v1(169.1,130.2)
  In2.Cu-PWR-SIG w0.2: J5.12 145.7,142.28 145.7,138.3 150.9,133.1 155.53,133.1 156.43,132.2 164.8,132.2 167.4,129.6 168.5,129.6 v1(169.1,130.2)
/subpcb_logic/SPI2.MOSI: length 43.9
  Top w0.2: v1(169.1,128.9) 168.4,128.2 168.4,126.78 163.72,122.1 J12.86
  In2.Cu-PWR-SIG w0.2: v1(169.1,128.9) 168.7,128.5 167.8,128.5 164.6,131.7 151.73,131.7 145.3,138.13 145.3,140.14 J5.14
/subpcb_logic/SPI2.SCK: length 41.6
  Top w0.2: J12.88 163.72,121.5 169.3,127.08 169.3,127.5 v1(169.4,127.6)
  In2.Cu-PWR-SIG w0.2: J5.16 142.7,140.17 151.67,131.2 164.53,131.2 168.13,127.6 v1(169.4,127.6)
/subpcb_logic/STM_SWCLK: length 65.1
  Top w0.3: J31.3 208.62,93.68 v1(198.5,103.8) ; J12.160 165.9,99.9 v1(166,99.8)
  Bottom w0.3: v1(198.5,103.8) 170,103.8 v1(166,99.8)
/subpcb_logic/STM_SWDIO: length 70.7
  Top w0.3: J12.162 164.75,99.3 165.75,98.3 v1(166.25,98.3) ; v1(197.75,102.8) v1(206.5,94.05)
  Bottom w0.3: J31.1 207.35,75.45 205.8,77 205.8,93.35 v1(206.5,94.05) ; v1(166.25,98.3) 170.75,102.8 v1(197.75,102.8)
/subpcb_logic/UART7.RX: length 58.8
  Top w0.3: J15.3 151.5,163.43 146.6,158.53 146.6,122.7 v1(146.7,122.6) ; v1(157,119.05) 156.65,119.4 J12.95
  Bottom w0.3: v1(146.7,122.6) 146.7,120.6 148.25,119.05 v1(157,119.05)
/subpcb_logic/UART7.TX: length 50.6
  Top w0.3: J15.2 151.5,165.8 145.8,160.1 145.8,121.4 146.4,120.8 R83.1
/subpcb_logic/UART8.RX: length 65.9
  Top w0.3: v1(138.8,117.8) 138.8,128.8 133.91,133.69 126.72,133.69 R58.2 126.51,138.39 117.9,147 R26.2 ; 154.32,118.2 157.35,118.2 v1(157.75,117.8)
  Bottom w0.3: v1(157.75,117.8) v1(138.8,117.8)
/subpcb_logic/UART8.TX: length 55.3
  Top w0.3: v1(146.75,118.8) 147.25,119.3 R84.1
  Bottom w0.3: v1(146.75,118.8) 137.25,118.8 132,124.05 126.85,124.05 125.52,125.38 U13.9 124.18,128.12 124.18,131.42 123.1,132.5 123.1,141 115.84,148.26 U6.3
